# Allegro board SSOM_K1_Layout.brd (continued)
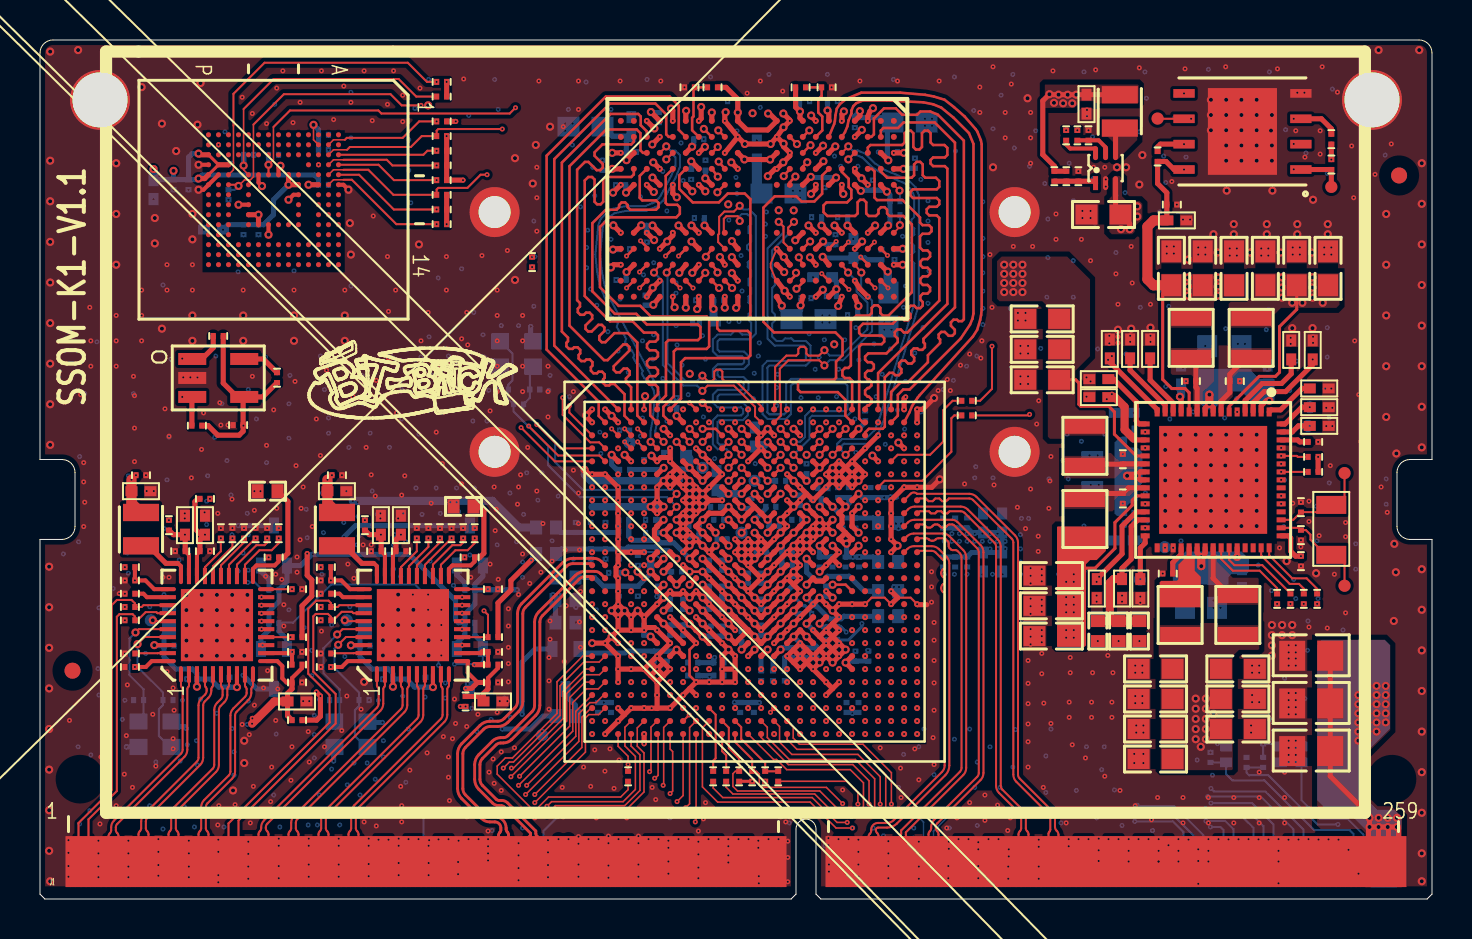
[diagram p0: board, top side]
## Library data of the parts
BH2-BH4 BH11 = MOUNT_HOLE
BH5 BH6 = SPACER
C1-C3 = C-C0805-X5R
C4-C26 C28-C39 C42-C66 C75-C106 C109 C126 C141 C142 C150 C156 C159-C176 C181-C197 C200-C213 C215 C216 C218-C228 C231-C245 C251 C254-C268 = C-C0402-X5R
C27 C40 C41 C125 C127 C129-C140 C143-C149 C151 C152 C154 C155 C157 C158 C179 C180 C198 C199 C214 C217 = C-C0603-X5R
C67-C74 = C-C0201-X5R
C107 C108 C177 C178 C229 C230 C252 C253 = C-C0402-COG
C153 = C-C0603-X5R: signal model: C-C0402-X5R_C0402_22PF_22pF
D1 = BAT54/SOT
D2 D3 = ESD5341N
FB1-FB17 = FB-FB0402
J1 = DDR4-SO-DIMM-SOCKET
L3 L10 L11 = L-L2016
L4-L9 = L-L2520
MK1-MK4 = TP
Q2 = AO3401
Q9-Q12 = NMOS-NX3008NBKW_3
R1 R2 R41 R45 R75 R76 R97 R164 = R-R0402-1%
R3 R7-R19 R40 R43 R44 R47-R49 R52 R53 R56 R57 R71-R74 R77-R96 R98 R99 R104 R111 R112 R115 R116 R125 R128 R131 R132 R136 R138 R144 R145 R152 R157 R159 R171 R172 R175 R176 R185 R188 R193 R194 R204 R206 R208 R211 R219 R221-R225 = R-R0402-5%
R100 R102 R103 = R-R0402-5%: signal model: R-R0402-5%_R0402_22R_22R
R101 = R-R0402-1%: signal model: R-R0402-5%_R0402_22R_22R
TP1-TP5 TP8-TP15 TP95 TP96 = TESTLOOP: User Part Number: USERPART#; Tolerance: TOLERANCE
U1 = M103-P676
U4 = ETA3512FSG
U5 = SPM8821
U6 = K4UCE3Q4AB-MGCL
U7 = KLMBG2JETD-B041
U8 = W25QXX_EP: User Part Number: PN; Tolerance: TOL
U9 = EEPROM-SOT23
U10 U11 = RTL8211F
Y1 = CRY-24MHz-3225-SMD
Y2 = XTAL_RTC
Y3 Y4 = CRY-25MHz-3225-SMD

## Footprints (pads in the part's own frame, mm; a bottom-side part is the same pattern mirrored in y, then rotated)
0201C
  rect 0.259x0.3 smd: 1(-0.25,0) 2(0.25,0)
0201R
  rect 0.259x0.3 smd: 1(-0.25,0) 2(0.25,0)
0402D
  rect 0.5x0.599 smd: 1(-0.4,0) 2(0.4,0)
0402ESD
  rect 0.5x0.599 smd: 1(-0.4,0) 2(0.4,0)
0402L
  rect 0.599x0.701 smd: 1(-0.5,0) 2(0.5,0)
0603C
  rect 1.1x1.001 smd: 1(-0.85,0) 2(0.85,0)
0805C
  rect 1.3x1.501 smd: 1(-0.95,0) 2(0.95,0)
C0201
  rect 0.259x0.3 smd: 1(-0.25,0) 2(0.25,0)
C0402
  rect 0.599x0.5 smd: 1(-0.475,0) 2(0.475,0)
CO2-1R5X3R2-S
  rect 0.899x1.501 smd: 1(-1.25,0) 2(1.25,0)
FBGA153_0P5_11P5X13
  round 0.254 smd: A1(-3.25,3.25) A2(-2.75,3.25) A3(-2.25,3.25) A4(-1.75,3.25) A5(-1.25,3.25) A6(-0.75,3.25) A7(-0.25,3.25) A8(0.25,3.25) A9(0.75,3.25) A10(1.25,3.25) A11(1.75,3.25) A12(2.25,3.25) A13(2.75,3.25) A14(3.25,3.25) B1(-3.25,2.75) B2(-2.75,2.75) B3(-2.25,2.75) B4(-1.75,2.75) B5(-1.25,2.75) B6(-0.75,2.75) B7(-0.25,2.75) B8(0.25,2.75) B9(0.75,2.75) B10(1.25,2.75) B11(1.75,2.75) B12(2.25,2.75) B13(2.75,2.75) B14(3.25,2.75) C1(-3.25,2.25) C2(-2.75,2.25) C3(-2.25,2.25) C4(-1.75,2.25) C5(-1.25,2.25) C6(-0.75,2.25) C7(-0.25,2.25) C8(0.25,2.25) C9(0.75,2.25) C10(1.25,2.25) C11(1.75,2.25) C12(2.25,2.25) C13(2.75,2.25) C14(3.25,2.25) D1(-3.25,1.75) D2(-2.75,1.75) D3(-2.25,1.75) D4(-1.75,1.75) D12(2.25,1.75) D13(2.75,1.75) D14(3.25,1.75) E1(-3.25,1.25) E2(-2.75,1.25) E3(-2.25,1.25) E5(-1.25,1.25) E6(-0.75,1.25) E7(-0.25,1.25) E8(0.25,1.25) E9(0.75,1.25) E10(1.25,1.25) E12(2.25,1.25) E13(2.75,1.25) E14(3.25,1.25) F1(-3.25,0.75) F2(-2.75,0.75) F3(-2.25,0.75) F5(-1.25,0.75) F10(1.25,0.75) F12(2.25,0.75) F13(2.75,0.75) F14(3.25,0.75) G1(-3.25,0.25) G2(-2.75,0.25) G3(-2.25,0.25) G5(-1.25,0.25) G10(1.25,0.25) G12(2.25,0.25) G13(2.75,0.25) G14(3.25,0.25) H1(-3.25,-0.25) H2(-2.75,-0.25) H3(-2.25,-0.25) H5(-1.25,-0.25) H10(1.25,-0.25) H12(2.25,-0.25) H13(2.75,-0.25) H14(3.25,-0.25) J1(-3.25,-0.75) J2(-2.75,-0.75) J3(-2.25,-0.75) J5(-1.25,-0.75) J10(1.25,-0.75) J12(2.25,-0.75) J13(2.75,-0.75) J14(3.25,-0.75) K1(-3.25,-1.25) K2(-2.75,-1.25) K3(-2.25,-1.25) K5(-1.25,-1.25) K6(-0.75,-1.25) K7(-0.25,-1.25) K8(0.25,-1.25) K9(0.75,-1.25) K10(1.25,-1.25) K12(2.25,-1.25) K13(2.75,-1.25) K14(3.25,-1.25) L1(-3.25,-1.75) L2(-2.75,-1.75) L3(-2.25,-1.75) L12(2.25,-1.75) L13(2.75,-1.75) L14(3.25,-1.75) M1(-3.25,-2.25) M2(-2.75,-2.25) M3(-2.25,-2.25) M4(-1.75,-2.25) M5(-1.25,-2.25) M6(-0.75,-2.25) M7(-0.25,-2.25) M8(0.25,-2.25) M9(0.75,-2.25) M10(1.25,-2.25) M11(1.75,-2.25) M12(2.25,-2.25) M13(2.75,-2.25) M14(3.25,-2.25) N1(-3.25,-2.75) N2(-2.75,-2.75) N3(-2.25,-2.75) N4(-1.75,-2.75) N5(-1.25,-2.75) N6(-0.75,-2.75) N7(-0.25,-2.75) N8(0.25,-2.75) N9(0.75,-2.75) N10(1.25,-2.75) N11(1.75,-2.75) N12(2.25,-2.75) N13(2.75,-2.75) N14(3.25,-2.75) P1(-3.25,-3.25) P2(-2.75,-3.25) P3(-2.25,-3.25) P4(-1.75,-3.25) P5(-1.25,-3.25) P6(-0.75,-3.25) P7(-0.25,-3.25) P8(0.25,-3.25) P9(0.75,-3.25) P10(1.25,-3.25) P11(1.75,-3.25) P12(2.25,-3.25) P13(2.75,-3.25) P14(3.25,-3.25)
FBGA800P10200X14700X1000-200
  round 0.3 smd: A1(-4.4,6.825) A2(-3.6,6.825) A3(-2.8,6.825) A4(-2,6.825) A5(-1.2,6.825) A8(1.2,6.825) A9(2,6.825) A10(2.8,6.825) A11(3.6,6.825) A12(4.4,6.825) AA1(-4.4,-6.175) AA2(-3.6,-6.175) AA3(-2.8,-6.175) AA4(-2,-6.175) AA5(-1.2,-6.175) AA8(1.2,-6.175) AA9(2,-6.175) AA10(2.8,-6.175) AA11(3.6,-6.175) AA12(4.4,-6.175) AB1(-4.4,-6.825) AB2(-3.6,-6.825) AB3(-2.8,-6.825) AB4(-2,-6.825) AB5(-1.2,-6.825) AB8(1.2,-6.825) AB9(2,-6.825) AB10(2.8,-6.825) AB11(3.6,-6.825) AB12(4.4,-6.825) B1(-4.4,6.175) B2(-3.6,6.175) B3(-2.8,6.175) B4(-2,6.175) B5(-1.2,6.175) B8(1.2,6.175) B9(2,6.175) B10(2.8,6.175) B11(3.6,6.175) B12(4.4,6.175) C1(-4.4,5.525) C2(-3.6,5.525) C3(-2.8,5.525) C4(-2,5.525) C5(-1.2,5.525) C8(1.2,5.525) C9(2,5.525) C10(2.8,5.525) C11(3.6,5.525) C12(4.4,5.525) D1(-4.4,4.875) D2(-3.6,4.875) D3(-2.8,4.875) D4(-2,4.875) D5(-1.2,4.875) D8(1.2,4.875) D9(2,4.875) D10(2.8,4.875) D11(3.6,4.875) D12(4.4,4.875) E1(-4.4,4.225) E2(-3.6,4.225) E3(-2.8,4.225) E4(-2,4.225) E5(-1.2,4.225) E8(1.2,4.225) E9(2,4.225) E10(2.8,4.225) E11(3.6,4.225) E12(4.4,4.225) F1(-4.4,3.575) F2(-3.6,3.575) F3(-2.8,3.575) F4(-2,3.575) F5(-1.2,3.575) F8(1.2,3.575) F9(2,3.575) F10(2.8,3.575) F11(3.6,3.575) F12(4.4,3.575) G1(-4.4,2.925) G2(-3.6,2.925) G3(-2.8,2.925) G4(-2,2.925) G5(-1.2,2.925) G8(1.2,2.925) G9(2,2.925) G10(2.8,2.925) G11(3.6,2.925) G12(4.4,2.925) H1(-4.4,2.275) H2(-3.6,2.275) H3(-2.8,2.275) H4(-2,2.275) H5(-1.2,2.275) H8(1.2,2.275) H9(2,2.275) H10(2.8,2.275) H11(3.6,2.275) H12(4.4,2.275) J1(-4.4,1.625) J2(-3.6,1.625) J3(-2.8,1.625) J4(-2,1.625) J5(-1.2,1.625) J8(1.2,1.625) J9(2,1.625) J10(2.8,1.625) J11(3.6,1.625) J12(4.4,1.625) K1(-4.4,0.975) K2(-3.6,0.975) K3(-2.8,0.975) K4(-2,0.975) K5(-1.2,0.975) K8(1.2,0.975) K9(2,0.975) K10(2.8,0.975) K11(3.6,0.975) K12(4.4,0.975) N1(-4.4,-0.975) N2(-3.6,-0.975) N3(-2.8,-0.975) N4(-2,-0.975) N5(-1.2,-0.975) N8(1.2,-0.975) N9(2,-0.975) N10(2.8,-0.975) N11(3.6,-0.975) N12(4.4,-0.975) P1(-4.4,-1.625) P2(-3.6,-1.625) P3(-2.8,-1.625) P4(-2,-1.625) P5(-1.2,-1.625) P8(1.2,-1.625) P9(2,-1.625) P10(2.8,-1.625) P11(3.6,-1.625) P12(4.4,-1.625) R1(-4.4,-2.275) R2(-3.6,-2.275) R3(-2.8,-2.275) R4(-2,-2.275) R5(-1.2,-2.275) R8(1.2,-2.275) R9(2,-2.275) R10(2.8,-2.275) R11(3.6,-2.275) R12(4.4,-2.275) T1(-4.4,-2.925) T2(-3.6,-2.925) T3(-2.8,-2.925) T4(-2,-2.925) T5(-1.2,-2.925) T8(1.2,-2.925) T9(2,-2.925) T10(2.8,-2.925) T11(3.6,-2.925) T12(4.4,-2.925) U1(-4.4,-3.575) U2(-3.6,-3.575) U3(-2.8,-3.575) U4(-2,-3.575) U5(-1.2,-3.575) U8(1.2,-3.575) U9(2,-3.575) U10(2.8,-3.575) U11(3.6,-3.575) U12(4.4,-3.575) V1(-4.4,-4.225) V2(-3.6,-4.225) V3(-2.8,-4.225) V4(-2,-4.225) V5(-1.2,-4.225) V8(1.2,-4.225) V9(2,-4.225) V10(2.8,-4.225) V11(3.6,-4.225) V12(4.4,-4.225) W1(-4.4,-4.875) W2(-3.6,-4.875) W3(-2.8,-4.875) W4(-2,-4.875) W5(-1.2,-4.875) W8(1.2,-4.875) W9(2,-4.875) W10(2.8,-4.875) W11(3.6,-4.875) W12(4.4,-4.875) Y1(-4.4,-5.525) Y2(-3.6,-5.525) Y3(-2.8,-5.525) Y4(-2,-5.525) Y5(-1.2,-5.525) Y8(1.2,-5.525) Y9(2,-5.525) Y10(2.8,-5.525) Y11(3.6,-5.525) Y12(4.4,-5.525)
GOLD_FINGER_SODIMM_260
  rect 0.3x2.55 smd: 1(0,0) 2(0.25,0) 3(0.5,0) 4(0.75,0) 5(1,0) 6(1.25,0) 7(1.5,0) 8(1.75,0) 9(2,0) 10(2.25,0) 11(2.5,0) 12(2.75,0) 13(3,0) 14(3.25,0) 15(3.5,0) 16(3.75,0) 17(4,0) 18(4.25,0) 19(4.5,0) 20(4.75,0) 21(5,0) 22(5.25,0) 23(5.5,0) 24(5.75,0) 25(6,0) 26(6.25,0) 27(6.5,0) 28(6.75,0) 29(7,0) 30(7.25,0) 31(7.5,0) 32(7.75,0) 33(8,0) 34(8.25,0) 35(8.5,0) 36(8.75,0) 37(9,0) 38(9.25,0) 39(9.5,0) 40(9.75,0) 41(10,0) 42(10.25,0) 43(10.5,0) 44(10.75,0) 45(11,0) 46(11.25,0) 47(11.5,0) 48(11.75,0) 49(12,0) 50(12.25,0) 51(12.5,0) 52(12.75,0) 53(13,0) 54(13.25,0) 55(13.5,0) 56(13.75,0) 57(14,0) 58(14.25,0) 59(14.5,0) 60(14.75,0) 61(15,0) 62(15.25,0) 63(15.5,0) 64(15.75,0) 65(16,0) 66(16.25,0) 67(16.5,0) 68(16.75,0) 69(17,0) 70(17.25,0) 71(17.5,0) 72(17.75,0) 73(18,0) 74(18.25,0) 75(18.5,0) 76(18.75,0) 77(19,0) 78(19.25,0) 79(19.5,0) 80(19.75,0) 81(20,0) 82(20.25,0) 83(20.5,0) 84(20.75,0) 85(21,0) 86(21.25,0) 87(21.5,0) 88(21.75,0) 89(22,0) 90(22.25,0) 91(22.5,0) 92(22.75,0) 93(23,0) 94(23.25,0) 95(23.5,0) 96(23.75,0) 97(24,0) 98(24.25,0) 99(24.5,0) 100(24.75,0) 101(25,0) 102(25.25,0) 103(25.5,0) 104(25.75,0) 105(26,0) 106(26.25,0) 107(26.5,0) 108(26.75,0) 109(27,0) 110(27.25,0) 111(27.5,0) 112(27.75,0) 113(28,0) 114(28.25,0) 115(28.5,0) 116(28.75,0) 117(29,0) 118(29.25,0) 119(29.5,0) 120(29.75,0) 121(30,0) 122(30.25,0) 123(30.5,0) 124(30.75,0) 125(31,0) 126(31.25,0) 127(31.5,0) 128(31.75,0) 129(32,0) 130(32.25,0) 131(32.5,0) 132(32.75,0) 133(33,0) 134(33.25,0) 135(33.5,0) 136(33.75,0) 137(34,0) 138(34.25,0) 139(34.5,0) 140(34.75,0) 141(35,0) 142(35.25,0) 143(35.5,0) 144(35.75,0) 145(38,0) 146(38.25,0) 147(38.5,0) 148(38.75,0) 149(39,0) 150(39.25,0) 151(39.5,0) 152(39.75,0) 153(40,0) 154(40.25,0) 155(40.5,0) 156(40.75,0) 157(41,0) 158(41.25,0) 159(41.5,0) 160(41.75,0) 161(42,0) 162(42.25,0) 163(42.5,0) 164(42.75,0) 165(43,0) 166(43.25,0) 167(43.5,0) 168(43.75,0) 169(44,0) 170(44.25,0) 171(44.5,0) 172(44.75,0) 173(45,0) 174(45.25,0) 175(45.5,0) 176(45.75,0) 177(46,0) 178(46.25,0) 179(46.5,0) 180(46.75,0) 181(47,0) 182(47.25,0) 183(47.5,0) 184(47.75,0) 185(48,0) 186(48.25,0) 187(48.5,0) 188(48.75,0) 189(49,0) 190(49.25,0) 191(49.5,0) 192(49.75,0) 193(50,0) 194(50.25,0) 195(50.5,0) 196(50.75,0) 197(51,0) 198(51.25,0) 199(51.5,0) 200(51.75,0) 201(52,0) 202(52.25,0) 203(52.5,0) 204(52.75,0) 205(53,0) 206(53.25,0) 207(53.5,0) 208(53.75,0) 209(54,0) 210(54.25,0) 211(54.5,0) 212(54.75,0) 213(55,0) 214(55.25,0) 215(55.5,0) 216(55.75,0) 217(56,0) 218(56.25,0) 219(56.5,0) 220(56.75,0) 221(57,0) 222(57.25,0) 223(57.5,0) 224(57.75,0) 225(58,0) 226(58.25,0) 227(58.5,0) 228(58.75,0) 229(59,0) 230(59.25,0) 231(59.5,0) 232(59.75,0) 233(60,0) 234(60.25,0) 235(60.5,0) 236(60.75,0) 237(61,0) 238(61.25,0) 239(61.5,0) 240(61.75,0) 241(62,0) 242(62.25,0) 243(62.5,0) 244(62.75,0) 245(63,0) 246(63.25,0) 247(63.5,0) 248(63.75,0) 249(64,0) 250(64.25,0) 251(64.5,0) 252(64.75,0) 253(65,0) 254(65.25,0) 255(65.5,0) 256(65.75,0) 257(66,0) 258(66.25,0) 259(66.5,0) 260(66.75,0)
HOLE_M_2R50D1R60
  round 2.5 hole 1.6: 1(0,0)
HOLE_M_3R00D1R90
  round 3 hole 2.75: 1(0,0)
IND2520
  rect 0.8x1.999 smd: 1(-1.001,0) 2(1.001,0)
IND_2016A
  rect 0.864x1.803 smd: 1(-0.835,0) 2(0.835,0)
K1X_17X17_065_FULLMATRIX
  round 0.305 smd: A1(-8.125,8.125) A2(-7.475,8.125) A3(-6.825,8.125) A4(-6.175,8.125) A5(-5.525,8.125) A6(-4.875,8.125) A7(-4.225,8.125) A8(-3.575,8.125) A9(-2.925,8.125) A10(-2.275,8.125) A11(-1.625,8.125) A12(-0.975,8.125) A13(-0.325,8.125) A14(0.325,8.125) A15(0.975,8.125) A16(1.625,8.125) A17(2.275,8.125) A18(2.925,8.125) A19(3.575,8.125) A20(4.225,8.125) A21(4.875,8.125) A22(5.525,8.125) A23(6.175,8.125) A24(6.825,8.125) A25(7.475,8.125) A26(8.125,8.125) AA1(-8.125,-4.875) AA2(-7.475,-4.875) AA3(-6.825,-4.875) AA4(-6.175,-4.875) AA5(-5.525,-4.875) AA6(-4.875,-4.875) AA7(-4.225,-4.875) AA8(-3.575,-4.875) AA9(-2.925,-4.875) AA10(-2.275,-4.875) AA11(-1.625,-4.875) AA12(-0.975,-4.875) AA13(-0.325,-4.875) AA14(0.325,-4.875) AA15(0.975,-4.875) AA16(1.625,-4.875) AA17(2.275,-4.875) AA18(2.925,-4.875) AA19(3.575,-4.875) AA20(4.225,-4.875) AA21(4.875,-4.875) AA22(5.525,-4.875) AA23(6.175,-4.875) AA24(6.825,-4.875) AA25(7.475,-4.875) AA26(8.125,-4.875) AB1(-8.125,-5.525) AB2(-7.475,-5.525) AB3(-6.825,-5.525) AB4(-6.175,-5.525) AB5(-5.525,-5.525) AB6(-4.875,-5.525) AB7(-4.225,-5.525) AB8(-3.575,-5.525) AB9(-2.925,-5.525) AB10(-2.275,-5.525) AB11(-1.625,-5.525) AB12(-0.975,-5.525) AB13(-0.325,-5.525) AB14(0.325,-5.525) AB15(0.975,-5.525) AB16(1.625,-5.525) AB17(2.275,-5.525) AB18(2.925,-5.525) AB19(3.575,-5.525) AB20(4.225,-5.525) AB21(4.875,-5.525) AB22(5.525,-5.525) AB23(6.175,-5.525) AB24(6.825,-5.525) AB25(7.475,-5.525) AB26(8.125,-5.525) AC1(-8.125,-6.175) AC2(-7.475,-6.175) AC3(-6.825,-6.175) AC4(-6.175,-6.175) AC5(-5.525,-6.175) AC6(-4.875,-6.175) AC7(-4.225,-6.175) AC8(-3.575,-6.175) AC9(-2.925,-6.175) AC10(-2.275,-6.175) AC11(-1.625,-6.175) AC12(-0.975,-6.175) AC13(-0.325,-6.175) AC14(0.325,-6.175) AC15(0.975,-6.175) AC16(1.625,-6.175) AC17(2.275,-6.175) AC18(2.925,-6.175) AC19(3.575,-6.175) AC20(4.225,-6.175) AC21(4.875,-6.175) AC22(5.525,-6.175) AC23(6.175,-6.175) AC24(6.825,-6.175) AC25(7.475,-6.175) AC26(8.125,-6.175) AD1(-8.125,-6.825) AD2(-7.475,-6.825) AD3(-6.825,-6.825) AD4(-6.175,-6.825) AD5(-5.525,-6.825) AD6(-4.875,-6.825) AD7(-4.225,-6.825) AD8(-3.575,-6.825) AD9(-2.925,-6.825) AD10(-2.275,-6.825) AD11(-1.625,-6.825) AD12(-0.975,-6.825) AD13(-0.325,-6.825) AD14(0.325,-6.825) AD15(0.975,-6.825) AD16(1.625,-6.825) AD17(2.275,-6.825) AD18(2.925,-6.825) AD19(3.575,-6.825) AD20(4.225,-6.825) AD21(4.875,-6.825) AD22(5.525,-6.825) AD23(6.175,-6.825) AD24(6.825,-6.825) AD25(7.475,-6.825) AD26(8.125,-6.825) AE1(-8.125,-7.475) AE2(-7.475,-7.475) AE3(-6.825,-7.475) AE4(-6.175,-7.475) AE5(-5.525,-7.475) AE6(-4.875,-7.475) AE7(-4.225,-7.475) AE8(-3.575,-7.475) AE9(-2.925,-7.475) AE10(-2.275,-7.475) AE11(-1.625,-7.475) AE12(-0.975,-7.475) AE13(-0.325,-7.475) AE14(0.325,-7.475) AE15(0.975,-7.475) AE16(1.625,-7.475) AE17(2.275,-7.475) AE18(2.925,-7.475) AE19(3.575,-7.475) AE20(4.225,-7.475) AE21(4.875,-7.475) AE22(5.525,-7.475) AE23(6.175,-7.475) AE24(6.825,-7.475) AE25(7.475,-7.475) AE26(8.125,-7.475) AF1(-8.125,-8.125) AF2(-7.475,-8.125) AF3(-6.825,-8.125) AF4(-6.175,-8.125) AF5(-5.525,-8.125) AF6(-4.875,-8.125) AF7(-4.225,-8.125) AF8(-3.575,-8.125) AF9(-2.925,-8.125) AF10(-2.275,-8.125) AF11(-1.625,-8.125) AF12(-0.975,-8.125) AF13(-0.325,-8.125) AF14(0.325,-8.125) AF15(0.975,-8.125) AF16(1.625,-8.125) AF17(2.275,-8.125) AF18(2.925,-8.125) AF19(3.575,-8.125) AF20(4.225,-8.125) AF21(4.875,-8.125) AF22(5.525,-8.125) AF23(6.175,-8.125) AF24(6.825,-8.125) AF25(7.475,-8.125) AF26(8.125,-8.125) B1(-8.125,7.475) B2(-7.475,7.475) B3(-6.825,7.475) B4(-6.175,7.475) B5(-5.525,7.475) B6(-4.875,7.475) B7(-4.225,7.475) B8(-3.575,7.475) B9(-2.925,7.475) B10(-2.275,7.475) B11(-1.625,7.475) B12(-0.975,7.475) B13(-0.325,7.475) B14(0.325,7.475) B15(0.975,7.475) B16(1.625,7.475) B17(2.275,7.475) B18(2.925,7.475) B19(3.575,7.475) B20(4.225,7.475) B21(4.875,7.475) B22(5.525,7.475) B23(6.175,7.475) B24(6.825,7.475) B25(7.475,7.475) B26(8.125,7.475) C1(-8.125,6.825) C2(-7.475,6.825) C3(-6.825,6.825) C4(-6.175,6.825) C5(-5.525,6.825) C6(-4.875,6.825) C7(-4.225,6.825) C8(-3.575,6.825) C9(-2.925,6.825) C10(-2.275,6.825) C11(-1.625,6.825) C12(-0.975,6.825) C13(-0.325,6.825) C14(0.325,6.825) C15(0.975,6.825) C16(1.625,6.825) C17(2.275,6.825) C18(2.925,6.825) C19(3.575,6.825) C20(4.225,6.825) C21(4.875,6.825) C22(5.525,6.825) C23(6.175,6.825) C24(6.825,6.825) C25(7.475,6.825) C26(8.125,6.825) D1(-8.125,6.175) D2(-7.475,6.175) D3(-6.825,6.175) D4(-6.175,6.175) D5(-5.525,6.175) D6(-4.875,6.175) D7(-4.225,6.175) D8(-3.575,6.175) D9(-2.925,6.175) D10(-2.275,6.175) D11(-1.625,6.175) D12(-0.975,6.175) D13(-0.325,6.175) D14(0.325,6.175) D15(0.975,6.175) D16(1.625,6.175) D17(2.275,6.175) D18(2.925,6.175) D19(3.575,6.175) D20(4.225,6.175) D21(4.875,6.175) D22(5.525,6.175) D23(6.175,6.175) D24(6.825,6.175) D25(7.475,6.175) D26(8.125,6.175) E1(-8.125,5.525) E2(-7.475,5.525) E3(-6.825,5.525) E4(-6.175,5.525) E5(-5.525,5.525) E6(-4.875,5.525) E7(-4.225,5.525) E8(-3.575,5.525) E9(-2.925,5.525) E10(-2.275,5.525) E11(-1.625,5.525) E12(-0.975,5.525) E13(-0.325,5.525) E14(0.325,5.525) E15(0.975,5.525) E16(1.625,5.525) E17(2.275,5.525) E18(2.925,5.525) E19(3.575,5.525) E20(4.225,5.525) E21(4.875,5.525) E22(5.525,5.525) E23(6.175,5.525) E24(6.825,5.525) E25(7.475,5.525) E26(8.125,5.525) F1(-8.125,4.875) F2(-7.475,4.875) F3(-6.825,4.875) F4(-6.175,4.875) F5(-5.525,4.875) F6(-4.875,4.875) F7(-4.225,4.875) F8(-3.575,4.875) F9(-2.925,4.875) F10(-2.275,4.875) F11(-1.625,4.875) F12(-0.975,4.875) F13(-0.325,4.875) F14(0.325,4.875) F15(0.975,4.875) F16(1.625,4.875) F17(2.275,4.875) F18(2.925,4.875) F19(3.575,4.875) F20(4.225,4.875) F21(4.875,4.875) F22(5.525,4.875) F23(6.175,4.875) F24(6.825,4.875) F25(7.475,4.875) F26(8.125,4.875) G1(-8.125,4.225) G2(-7.475,4.225) G3(-6.825,4.225) G4(-6.175,4.225) G5(-5.525,4.225) G6(-4.875,4.225) G7(-4.225,4.225) G8(-3.575,4.225) G9(-2.925,4.225) G10(-2.275,4.225) G11(-1.625,4.225) G12(-0.975,4.225) G13(-0.325,4.225) G14(0.325,4.225) G15(0.975,4.225) G16(1.625,4.225) G17(2.275,4.225) G18(2.925,4.225) G19(3.575,4.225) G20(4.225,4.225) G21(4.875,4.225) G22(5.525,4.225) G23(6.175,4.225) G24(6.825,4.225) G25(7.475,4.225) G26(8.125,4.225) H1(-8.125,3.575) H2(-7.475,3.575) H3(-6.825,3.575) H4(-6.175,3.575) H5(-5.525,3.575) H6(-4.875,3.575) H7(-4.225,3.575) H8(-3.575,3.575) H9(-2.925,3.575) H10(-2.275,3.575) H11(-1.625,3.575) H12(-0.975,3.575) H13(-0.325,3.575) H14(0.325,3.575) H15(0.975,3.575) H16(1.625,3.575) H17(2.275,3.575) H18(2.925,3.575) H19(3.575,3.575) H20(4.225,3.575) H21(4.875,3.575) H22(5.525,3.575) H23(6.175,3.575) H24(6.825,3.575) H25(7.475,3.575) H26(8.125,3.575) J1(-8.125,2.925) J2(-7.475,2.925) J3(-6.825,2.925) J4(-6.175,2.925) J5(-5.525,2.925) J6(-4.875,2.925) J7(-4.225,2.925) J8(-3.575,2.925) J9(-2.925,2.925) J10(-2.275,2.925) J11(-1.625,2.925) J12(-0.975,2.925) J13(-0.325,2.925) J14(0.325,2.925) J15(0.975,2.925) J16(1.625,2.925) J17(2.275,2.925) J18(2.925,2.925) J19(3.575,2.925) J20(4.225,2.925) J21(4.875,2.925) J22(5.525,2.925) J23(6.175,2.925) J24(6.825,2.925) J25(7.475,2.925) J26(8.125,2.925) K1(-8.125,2.275) K2(-7.475,2.275) K3(-6.825,2.275) K4(-6.175,2.275) K5(-5.525,2.275) K6(-4.875,2.275) K7(-4.225,2.275) K8(-3.575,2.275) K9(-2.925,2.275) K10(-2.275,2.275) K11(-1.625,2.275) K12(-0.975,2.275) K13(-0.325,2.275) K14(0.325,2.275) K15(0.975,2.275) K16(1.625,2.275) K17(2.275,2.275) K18(2.925,2.275) K19(3.575,2.275) K20(4.225,2.275) K21(4.875,2.275) K22(5.525,2.275) K23(6.175,2.275) K24(6.825,2.275) K25(7.475,2.275) K26(8.125,2.275) L1(-8.125,1.625) L2(-7.475,1.625) L3(-6.825,1.625) L4(-6.175,1.625) L5(-5.525,1.625) L6(-4.875,1.625) L7(-4.225,1.625) L8(-3.575,1.625) L9(-2.925,1.625) L10(-2.275,1.625) L11(-1.625,1.625) L12(-0.975,1.625) L13(-0.325,1.625) L14(0.325,1.625) L15(0.975,1.625) L16(1.625,1.625) L17(2.275,1.625) L18(2.925,1.625) L19(3.575,1.625) L20(4.225,1.625) L21(4.875,1.625) L22(5.525,1.625) L23(6.175,1.625) L24(6.825,1.625) L25(7.475,1.625) L26(8.125,1.625) M1(-8.125,0.975) M2(-7.475,0.975) M3(-6.825,0.975) M4(-6.175,0.975) M5(-5.525,0.975) M6(-4.875,0.975) M7(-4.225,0.975) M8(-3.575,0.975) M9(-2.925,0.975) M10(-2.275,0.975) M11(-1.625,0.975) M12(-0.975,0.975) M13(-0.325,0.975) M14(0.325,0.975) M15(0.975,0.975) M16(1.625,0.975) M17(2.275,0.975) M18(2.925,0.975) M19(3.575,0.975) M20(4.225,0.975) M21(4.875,0.975) M22(5.525,0.975) M23(6.175,0.975) M24(6.825,0.975) M25(7.475,0.975) M26(8.125,0.975) N1(-8.125,0.325) N2(-7.475,0.325) N3(-6.825,0.325) N4(-6.175,0.325) N5(-5.525,0.325) N6(-4.875,0.325) N7(-4.225,0.325) N8(-3.575,0.325) N9(-2.925,0.325) N10(-2.275,0.325) N11(-1.625,0.325) N12(-0.975,0.325) N13(-0.325,0.325) N14(0.325,0.325) N15(0.975,0.325) N16(1.625,0.325) N17(2.275,0.325) N18(2.925,0.325) N19(3.575,0.325) N20(4.225,0.325) N21(4.875,0.325) N22(5.525,0.325) N23(6.175,0.325) N24(6.825,0.325) N25(7.475,0.325) N26(8.125,0.325) P1(-8.125,-0.325) P2(-7.475,-0.325) P3(-6.825,-0.325) P4(-6.175,-0.325) P5(-5.525,-0.325) P6(-4.875,-0.325) P7(-4.225,-0.325) P8(-3.575,-0.325) P9(-2.925,-0.325) P10(-2.275,-0.325) P11(-1.625,-0.325) P12(-0.975,-0.325) P13(-0.325,-0.325) P14(0.325,-0.325) P15(0.975,-0.325) P16(1.625,-0.325) P17(2.275,-0.325) P18(2.925,-0.325) P19(3.575,-0.325) P20(4.225,-0.325) P21(4.875,-0.325) P22(5.525,-0.325) P23(6.175,-0.325) P24(6.825,-0.325) P25(7.475,-0.325) P26(8.125,-0.325) R1(-8.125,-0.975) R2(-7.475,-0.975) R3(-6.825,-0.975) R4(-6.175,-0.975) R5(-5.525,-0.975) R6(-4.875,-0.975) R7(-4.225,-0.975) R8(-3.575,-0.975) R9(-2.925,-0.975) R10(-2.275,-0.975) R11(-1.625,-0.975) R12(-0.975,-0.975) R13(-0.325,-0.975) R14(0.325,-0.975) R15(0.975,-0.975) R16(1.625,-0.975) R17(2.275,-0.975) R18(2.925,-0.975) R19(3.575,-0.975) R20(4.225,-0.975) R21(4.875,-0.975) R22(5.525,-0.975) R23(6.175,-0.975) R24(6.825,-0.975) R25(7.475,-0.975) R26(8.125,-0.975) T1(-8.125,-1.625) T2(-7.475,-1.625) T3(-6.825,-1.625) T4(-6.175,-1.625) T5(-5.525,-1.625) T6(-4.875,-1.625) T7(-4.225,-1.625) T8(-3.575,-1.625) T9(-2.925,-1.625) T10(-2.275,-1.625) T11(-1.625,-1.625) T12(-0.975,-1.625) T13(-0.325,-1.625) T14(0.325,-1.625) T15(0.975,-1.625) T16(1.625,-1.625) T17(2.275,-1.625) T18(2.925,-1.625) T19(3.575,-1.625) T20(4.225,-1.625) T21(4.875,-1.625) T22(5.525,-1.625) T23(6.175,-1.625) T24(6.825,-1.625) T25(7.475,-1.625) T26(8.125,-1.625) U1(-8.125,-2.275) U2(-7.475,-2.275) U3(-6.825,-2.275) U4(-6.175,-2.275) U5(-5.525,-2.275) U6(-4.875,-2.275) U7(-4.225,-2.275) U8(-3.575,-2.275) U9(-2.925,-2.275) U10(-2.275,-2.275) U11(-1.625,-2.275) U12(-0.975,-2.275) U13(-0.325,-2.275) U14(0.325,-2.275) U15(0.975,-2.275) U16(1.625,-2.275) U17(2.275,-2.275) U18(2.925,-2.275) U19(3.575,-2.275) U20(4.225,-2.275) U21(4.875,-2.275) U22(5.525,-2.275) U23(6.175,-2.275) U24(6.825,-2.275) U25(7.475,-2.275) U26(8.125,-2.275) V1(-8.125,-2.925) V2(-7.475,-2.925) V3(-6.825,-2.925) V4(-6.175,-2.925) V5(-5.525,-2.925) V6(-4.875,-2.925) V7(-4.225,-2.925) V8(-3.575,-2.925) V9(-2.925,-2.925) V10(-2.275,-2.925) V11(-1.625,-2.925) V12(-0.975,-2.925) V13(-0.325,-2.925) V14(0.325,-2.925) V15(0.975,-2.925) V16(1.625,-2.925) V17(2.275,-2.925) V18(2.925,-2.925) V19(3.575,-2.925) V20(4.225,-2.925) V21(4.875,-2.925) V22(5.525,-2.925) V23(6.175,-2.925) V24(6.825,-2.925) V25(7.475,-2.925) V26(8.125,-2.925) W1(-8.125,-3.575) W2(-7.475,-3.575) W3(-6.825,-3.575) W4(-6.175,-3.575) W5(-5.525,-3.575) W6(-4.875,-3.575) W7(-4.225,-3.575) W8(-3.575,-3.575) W9(-2.925,-3.575) W10(-2.275,-3.575) W11(-1.625,-3.575) W12(-0.975,-3.575) W13(-0.325,-3.575) W14(0.325,-3.575) W15(0.975,-3.575) W16(1.625,-3.575) W17(2.275,-3.575) W18(2.925,-3.575) W19(3.575,-3.575) W20(4.225,-3.575) W21(4.875,-3.575) W22(5.525,-3.575) W23(6.175,-3.575) W24(6.825,-3.575) W25(7.475,-3.575) W26(8.125,-3.575) Y1(-8.125,-4.225) Y2(-7.475,-4.225) Y3(-6.825,-4.225) Y4(-6.175,-4.225) Y5(-5.525,-4.225) Y6(-4.875,-4.225) Y7(-4.225,-4.225) Y8(-3.575,-4.225) Y9(-2.925,-4.225) Y10(-2.275,-4.225) Y11(-1.625,-4.225) Y12(-0.975,-4.225) Y13(-0.325,-4.225) Y14(0.325,-4.225) Y15(0.975,-4.225) Y16(1.625,-4.225) Y17(2.275,-4.225) Y18(2.925,-4.225) Y19(3.575,-4.225) Y20(4.225,-4.225) Y21(4.875,-4.225) Y22(5.525,-4.225) Y23(6.175,-4.225) Y24(6.825,-4.225) Y25(7.475,-4.225) Y26(8.125,-4.225)
MARK0R8
  round 0.8 smd: 1(0,0)
QFN40_0P4_5X5MM
  oval 0.813x0.203 smd: 1(-2.46,1.8) 10(-2.46,-1.8) 21(2.46,-1.8) 30(2.46,1.8)
  rect 0.813x0.203 smd: 2(-2.46,1.4) 3(-2.46,1) 4(-2.46,0.6) 5(-2.46,0.2) 6(-2.46,-0.2) 7(-2.46,-0.6) 8(-2.46,-1) 9(-2.46,-1.4) 22(2.46,-1.4) 23(2.46,-1) 24(2.46,-0.6) 25(2.46,-0.2) 26(2.46,0.2) 27(2.46,0.6) 28(2.46,1) 29(2.46,1.4)
  oval 0.203x0.813 smd: 11(-1.8,-2.46) 20(1.8,-2.46) 31(1.8,2.46) 40(-1.8,2.46)
  rect 0.203x0.813 smd: 12(-1.4,-2.46) 13(-1,-2.46) 14(-0.6,-2.46) 15(-0.2,-2.46) 16(0.2,-2.46) 17(0.6,-2.46) 18(1,-2.46) 19(1.4,-2.46) 32(1.4,2.46) 33(1,2.46) 34(0.6,2.46) 35(0.2,2.46) 36(-0.2,2.46) 37(-0.6,2.46) 38(-1,2.46) 39(-1.4,2.46)
  rect 3.607x3.607 smd: 41(0,0)
QFN60-S0_25X0_45-P0_4-H0_8
  rect 0.45x0.25 smd: 1(-3.4,2.8) 2(-3.4,2.4) 3(-3.4,2) 4(-3.4,1.6) 5(-3.4,1.2) 6(-3.4,0.8) 7(-3.4,0.4) 8(-3.4,0) 9(-3.4,-0.4) 10(-3.4,-0.8) 11(-3.4,-1.2) 12(-3.4,-1.6) 13(-3.4,-2) 14(-3.4,-2.4) 15(-3.4,-2.8) 31(3.4,-2.8) 32(3.4,-2.4) 33(3.4,-2) 34(3.4,-1.6) 35(3.4,-1.2) 36(3.4,-0.8) 37(3.4,-0.4) 38(3.4,0) 39(3.4,0.4) 40(3.4,0.8) 41(3.4,1.2) 42(3.4,1.6) 43(3.4,2) 44(3.4,2.4) 45(3.4,2.8)
  rect 0.25x0.45 smd: 16(-2.8,-3.4) 17(-2.4,-3.4) 18(-2,-3.4) 19(-1.6,-3.4) 20(-1.2,-3.4) 21(-0.8,-3.4) 22(-0.4,-3.4) 23(0,-3.4) 24(0.4,-3.4) 25(0.8,-3.4) 26(1.2,-3.4) 27(1.6,-3.4) 28(2,-3.4) 29(2.4,-3.4) 30(2.8,-3.4) 46(2.8,3.4) 47(2.4,3.4) 48(2,3.4) 49(1.6,3.4) 50(1.2,3.4) 51(0.8,3.4) 52(0.4,3.4) 53(0,3.4) 54(-0.4,3.4) 55(-0.8,3.4) 56(-1.2,3.4) 57(-1.6,3.4) 58(-2,3.4) 59(-2.4,3.4) 60(-2.8,3.4)
  rect 5.4x5.4 smd: 61(0,0)
SOT23-5
  rect 0.599x1.4 smd: 1(-0.95,-1.3) 2(0,-1.3) 3(0.95,-1.3) 4(0.95,1.3) 5(-0.95,1.3)
SOT323_S
  rect 0.5x0.8 smd: 1(-0.65,-1) 2(0.65,-1) 3(0,1)
SOT563
  rect 0.25x0.7 smd: 1(-0.5,-0.75)
  oval 0.25x0.7 smd: 2(0,-0.75) 3(0.5,-0.75) 4(0.5,0.75) 5(0,0.75) 6(-0.5,0.75)
TP_35MIL
  round 0.61 smd: 1(0,0)
WSON_8_EP_5R0X6R0
  rect 1.067x0.432 smd: 1(-2.921,1.905) 2(-2.921,0.635) 3(-2.921,-0.635) 4(-2.921,-1.905) 5(2.921,-1.905) 6(2.921,-0.635) 7(2.921,0.635) 8(2.921,1.905)
  rect 3.454x4.343 smd: 9(0,0)
XTLOSC4_2P5X2MM_SM
  rect 0.889x0.813 smd: 1(-0.826,-0.635) 2(0.826,-0.635) 3(0.826,0.635) 4(-0.826,0.635)

## Nets
AVDD3V3_AUD: FB9.2 U1.N18
AVDD06_DDR: C38.1 C39.1 C40.2 C41.2 C50.2 C51.2 C52.2 C53.2 C54.2 C126.2 C127.2 C198.2 C199.2 C200.2 C201.2 C202.2 C203.2 C204.2 C205.2 C206.2 C207.2 C208.2 C209.2 C210.2 C211.2 C212.2 C213.2 L3.2 R41.1 R75.1 R76.1 U1.B8 U1.C12 U1.C21 U1.D15 U1.E8 U1.E18 U1.E19 U1.F9 U1.F10 U1.F18 U1.G11 U1.G13 U1.G16 U6.AA3 U6.AA5 U6.AA8 U6.AA10 U6.B3 U6.B5 U6.B8 U6.B10 U6.D1 U6.D5 U6.D8 U6.D12 U6.F3 U6.F10 U6.U3 U6.U10 U6.W1 U6.W5 U6.W8 U6.W12
AVDD09_AFEAP: C78.2 FB1.2 U1.L11
AVDD09_CSI: C5.2 C6.2 C8.2 C9.2 C10.2 C11.2 C12.2 C13.2 C75.2 FB5.2 R101.2 U1.H20 U1.J20 U1.K7 U1.K20 U1.L7 U1.L20 U1.L21 U1.N7 U1.T7 U1.Y9 U1.Y10
AVDD09_PLL: C77.2 FB3.2 U1.M11
AVDD09_USB: C79.2 C80.2 C81.2 FB4.2 U1.M7 U1.P7 U1.P8
AVDD11_DDR: C36.2 C37.2 C153.2 C154.2 C155.2 C179.2 C180.2 C181.2 C182.2 C183.2 C184.2 C185.2 C186.2 C187.2 C188.2 C189.2 C190.2 C191.2 C192.2 L9.2 R78.1 R79.1 U1.G12 U1.G15 U5.20 U6.A4 U6.A9 U6.AB4 U6.AB9 U6.F5 U6.F8 U6.H1 U6.H5 U6.H8 U6.H12 U6.K1 U6.K3 U6.K10 U6.K12 U6.N1 U6.N3 U6.N10 U6.N12 U6.R1 U6.R5 U6.R8 U6.R12 U6.U5 U6.U8
AVDD12_DSI: C19.2 C167.2 U1.T8 U5.15
AVDD18_AFEAP: C93.2 FB11.2 U1.K12
AVDD18_AUD: FB13.2 U1.P18 U1.P19
AVDD18_CSI: C7.2 C14.2 C15.2 C16.2 C17.2 C18.2 C23.2 C24.2 C76.2 FB7.2 R81.2 R82.2 R83.2 R84.2 R85.2 R86.2 R87.2 R88.2 R89.2 R90.2 U1.AA9 U1.AA10 U1.H19 U1.K6 U1.L6 U1.L19 U1.M19 U1.N6 U1.R6
AVDD18_DDR: C34.2 C35.2 C170.2 C193.2 C194.2 C195.2 C196.2 C197.2 R3.2 R43.1 U1.E14 U1.H12 U1.H15 U5.18 U6.F1 U6.F12 U6.G4 U6.G9 U6.T4 U6.T9 U6.U1 U6.U12
AVDD18_EFUSE: C91.2 C171.2 U1.G18 U5.27
AVDD18_PLL: C92.2 FB12.2 U1.K14
AVDD18_USB: C94.2 C95.2 FB6.2 U1.M6 U1.P6
AVDD33_HDMI: FB10.2 Q2.3
AVDD33_HDMI_1: C21.2 C22.2 Q2.2(S) U1.Y7 U1.Y8
AVDD33_USB: C104.2 C105.2 C106.2 FB8.2 R9.2 R10.2
